# Allegro board meta_module_lay_rev1.brd (continued)
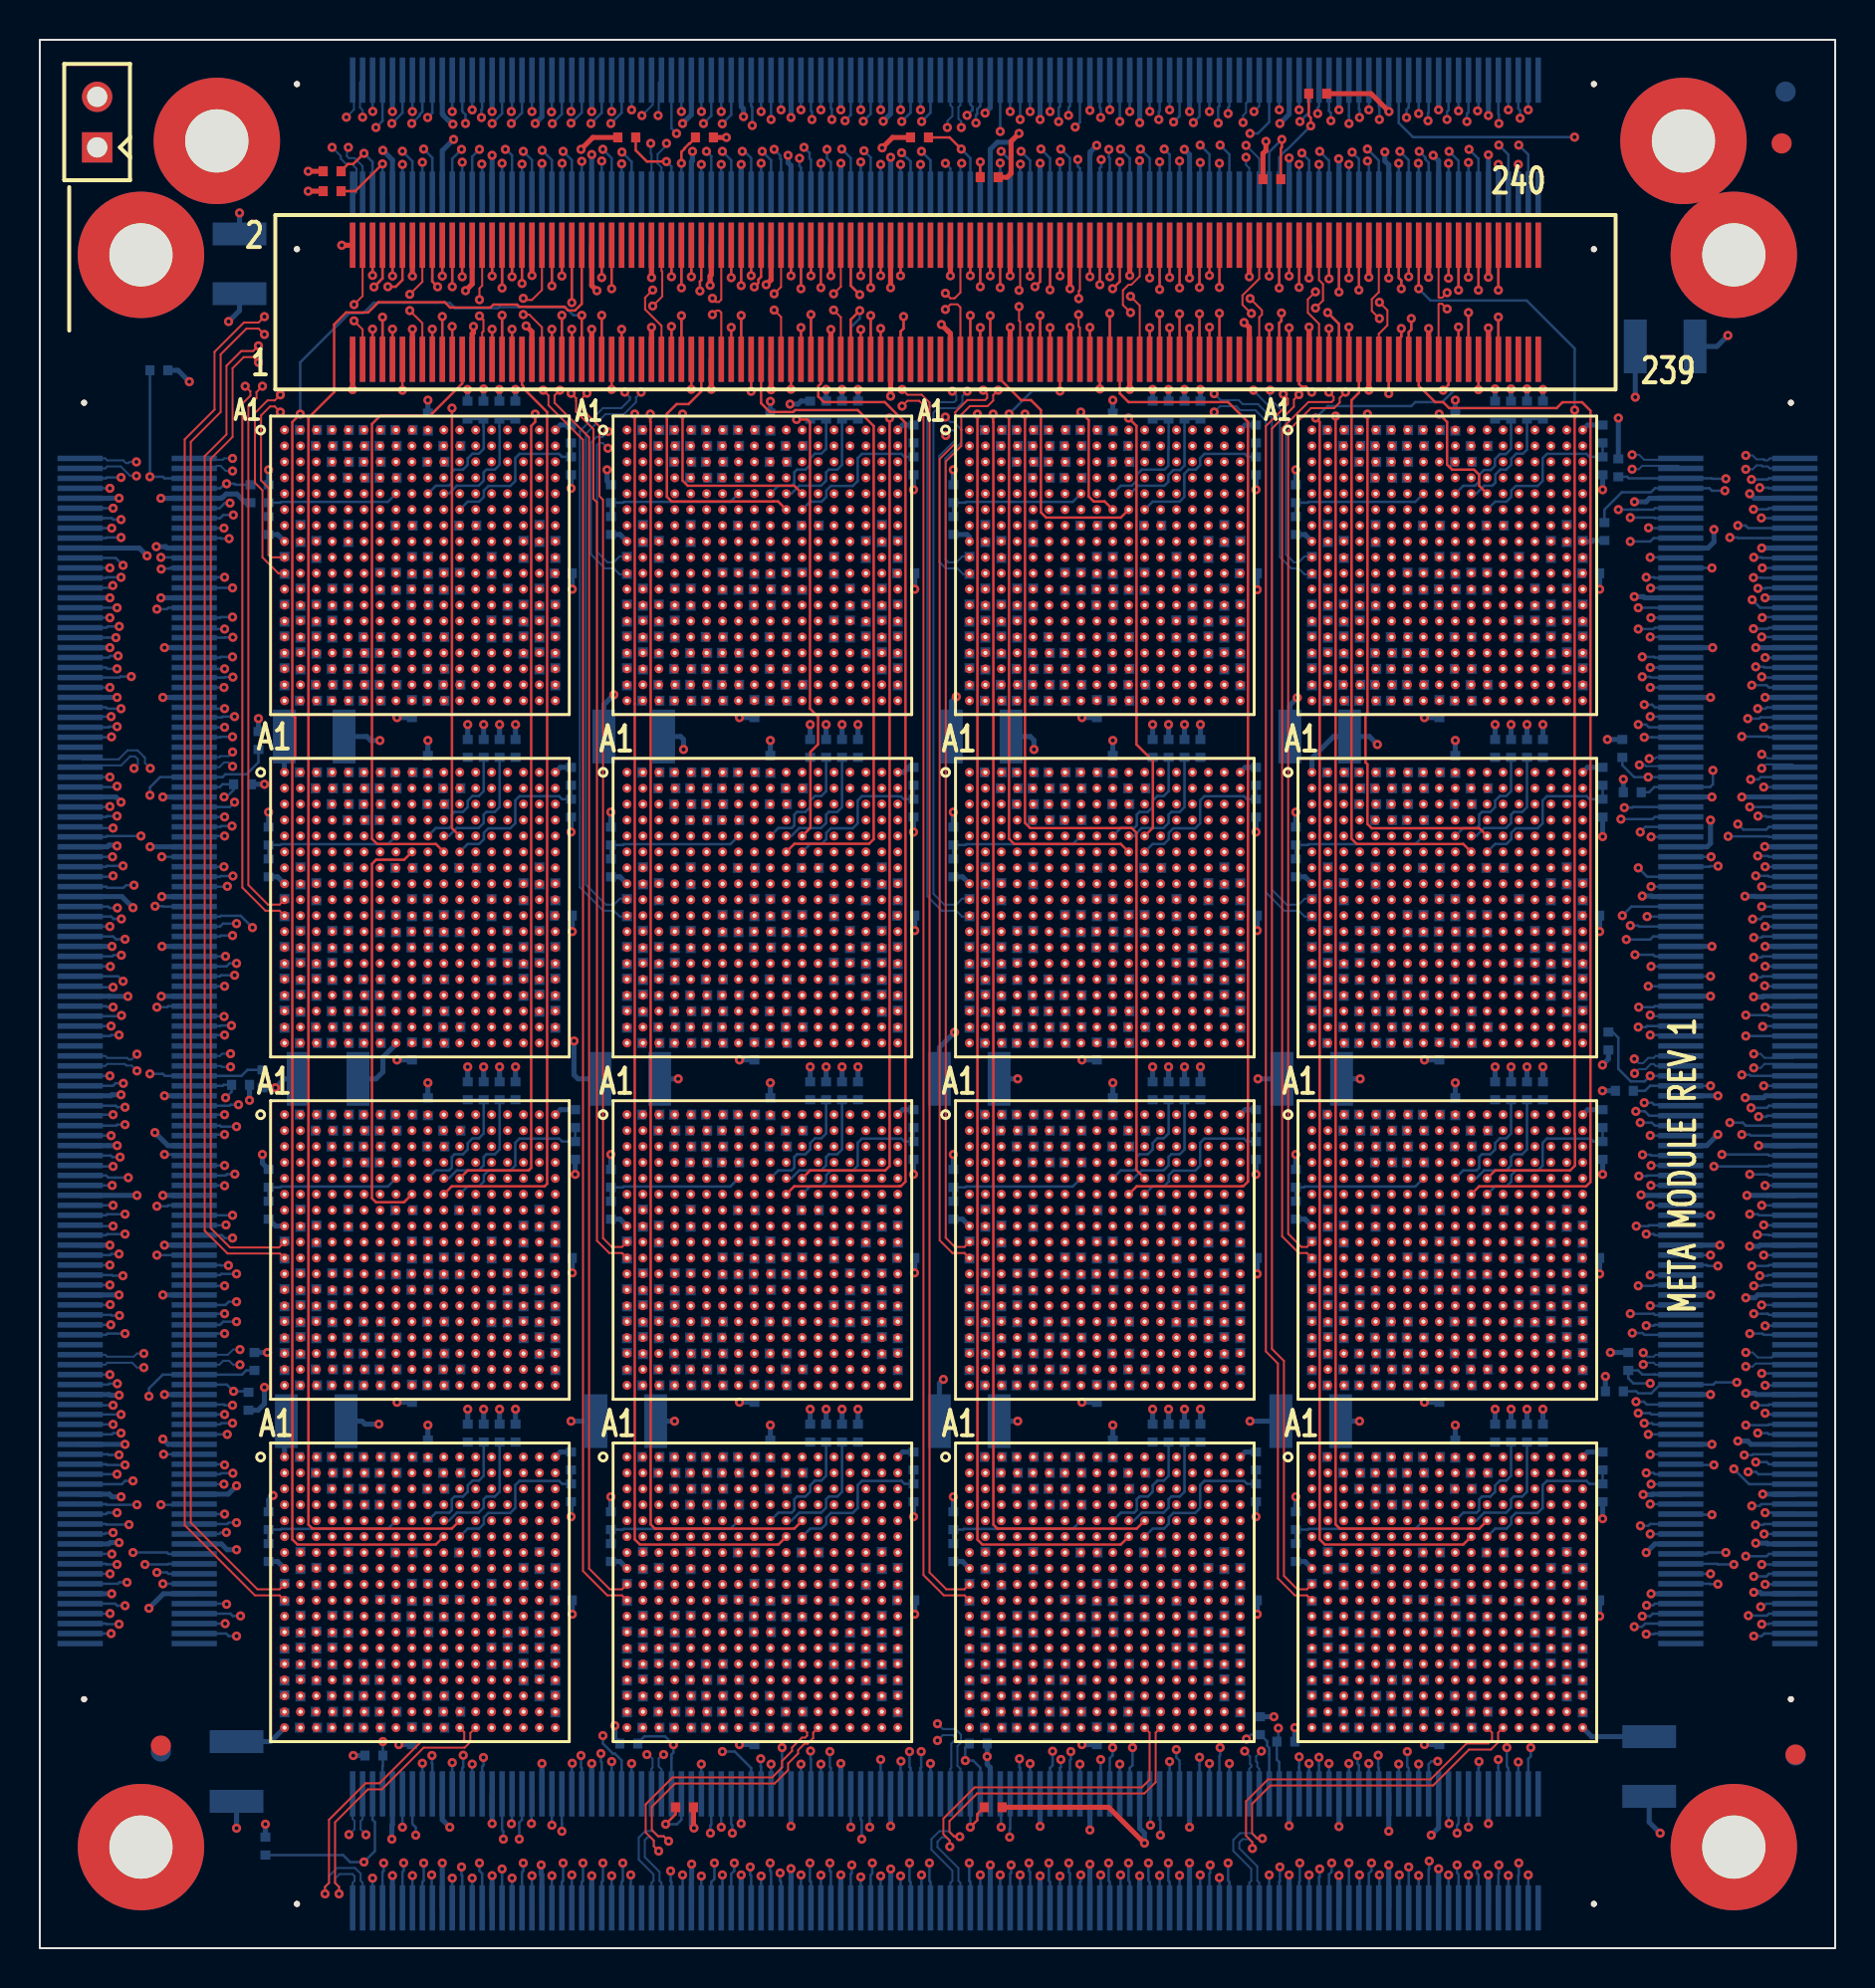
[diagram p0: board, top side]
## Routing (per net, layer and track width the routed paths; a pad name or vN(x,y) marks a point on that pad's centre or on a via; arc(x,y) is an arc through that point) (continued)
  BOTTOM w0.127: J1.33 67.25,89.82 v1(66.68,90.39)
NO_DATA_IN_P26: length 19.2
  SIGNAL_L5 w0.083: v1(68.31,90.28) 68.62,89.97 68.62,88.02 67.28,86.68 67.28,83.58 66.88,83.18 66.88,78.67 67.12,78.43 67.12,78.13 67.11,78.11 67.11,76.91 66.68,76.48 66.68,75.09 U5.C5
  BOTTOM w0.127: J1.27 68.75,89.84 v1(68.31,90.28)
NO_DATA_IN_P27: length 20.2
  SIGNAL_L9 w0.083: U5.D6 68.28,74.27 68.28,74.81 68.55,75.08 68.83,75.08 69.07,75.32 69.07,77.47 70.18,78.58 70.18,88.98 69.68,89.48 69.68,89.85 69.61,89.93 69.61,89.95 v1(69.28,90.28)
  BOTTOM w0.127: v1(69.28,90.28) 69.59,89.97 69.59,89.89 69.75,89.72 J1.23
NO_DATA_IN_P28: length 20.1
  SIGNAL_L9 w0.083: U5.A5 67.09,78.1 67.28,78.29 67.28,80.94 67.9,81.55 67.9,82.86 67.38,83.38 67.38,87.88 68.68,89.18 68.68,90.12 68.68,90.13 68.68,90.47 69.05,90.83 69.2,90.83 70.23,90.83 v1(70.78,90.28)
  BOTTOM w0.127: v1(70.78,90.28) 71.25,89.81 J1.17
NO_DATA_IN_P29: length 19.3
  SIGNAL_L5 w0.083: v1(71.78,90.38) 72.18,89.98 72.18,86.08 70.28,84.18 70.28,83.45 70.12,83.3 70.12,80.52 69.38,79.78 69.38,77.98 68.28,76.88 68.28,75.87 U5.B6
  BOTTOM w0.127: J1.13 72.25,89.91 v1(71.78,90.38)
NO_DATA_IN_P30: length 22.3
  SIGNAL_L5 w0.083: U5.C7 69.09,75.08 71.28,75.08 71.52,75.32 71.52,80.79 73.88,83.15 73.88,89.99 v1(73.28,90.59)
  BOTTOM w0.127: J1.7 73.75,90.12 v1(73.28,90.59)
NO_DATA_IN_P31: length 22.6
  SIGNAL_L10 w0.083: v1(74.28,90.59) 74.68,90.19 74.68,89.18 72.28,86.78 72.28,83.81 72.62,83.46 72.62,82.12 71.52,81.02 71.52,75.42 71.46,75.36 71.46,75.33 71.24,75.11 71.21,75.11 71.21,75.11 70.2,75.11 69.88,74.79 69.88,74.27 U5.D8
  BOTTOM w0.127: v1(74.28,90.59) 74.75,90.12 74.75,88.62 74.7,88.56 74.7,88.19 J1.3
NO_DATA_OUT_N0: length 21.1
  SIGNAL_L6 w0.083: U3.D11 19.92,74.25 19.92,76.64 19.12,77.44 19.12,78.32 19.28,78.48 19.28,84.88 20.08,85.68 20.08,91.65 v1(20.71,92.28)
  BOTTOM w0.127: v1(20.71,92.28) J1.220
NO_DATA_OUT_N1: length 30.6
  SIGNAL_L5 w0.083: U3.C12 20.69,75.08 20.08,75.08 19.88,75.28 19.88,77.38 21.38,78.88 22.48,78.88 24.88,81.28 24.88,81.47 24.88,81.88 28.81,85.81 28.81,88.98 28.83,88.99 28.83,90.36 28.43,90.75 22.88,90.75 21.72,91.92 v1(21.72,92.37)
  BOTTOM w0.127: v1(21.72,92.37) 21.72,93.86
NO_DATA_OUT_N2: length 29.6
  SIGNAL_L5 w0.083: U3.B13 21.49,75.89 20.97,75.89 20.68,76.17 20.68,76.68 21.97,77.97 22.44,77.97 22.66,78.19 22.66,78.66 25.06,81.06 25.06,81.55 29,85.48 29,88.91 29.13,89.04 29.68,89.59 29.68,90.38 29.12,90.94 23.46,90.94 v1(22.72,91.68)
  BOTTOM w0.127: v1(22.72,91.68) 23.22,92.18 J1.210
NO_DATA_OUT_N3: length 34.4
  SIGNAL_L5 w0.083: U3.A14 23.09,75.88 23.61,75.88 23.92,76.2 23.92,76.72 24.78,77.58 25.11,77.58 25.65,78.13 25.65,78.35 26.38,79.08 28.68,79.08 30.08,80.48 30.08,87.48 31.08,88.48 31.08,90.85 31.42,91.2 31.42,92.42 30.87,92.98 23.78,92.98 23.28,92.48 23.28,92.08 v1(23.68,91.68)
  BOTTOM w0.127: v1(23.68,91.68) 24.22,92.22 J1.206
NO_DATA_OUT_N4: length 22.1
  SIGNAL_L12 w0.083: v1(25.7,92.26) 25.28,91.84 25.28,91.28 24.78,90.78 24.78,86.88 22.28,84.38 22.28,83.48 22.48,83.28 22.48,81.78 22.28,81.58 22.28,80.78 21.89,80.39 21.89,77.97 22.28,77.58 22.28,74.27 U3.D13
  BOTTOM w0.127: J1.200 25.72,92.28 v1(25.7,92.26)
NO_DATA_OUT_N5: length 23
  SIGNAL_L6 w0.083: v1(26.68,92.28) 26.18,91.78 26.18,91.59 25.57,90.98 24.36,90.98 23.78,90.4 23.78,86.18 22.34,84.74 22.34,83.32 22.58,83.08 22.58,81.88 22.28,81.58 22.28,80.88 21.92,80.52 21.92,77.32 21.52,76.92 21.52,75.33 21.79,75.06 22.31,75.06 U3.C14
  BOTTOM w0.127: v1(26.68,92.28) 26.72,92.32 J1.196
NO_DATA_OUT_N6: length 20.9
  SIGNAL_L6 w0.083: v1(27.68,91.68) 27.08,91.08 26.55,91.08 25.78,90.31 25.78,84.98 25.28,84.48 25.28,81.28 23.49,79.49 23.49,77.19 23.12,76.82 23.12,75.85 U3.B15
  BOTTOM w0.127: v1(27.68,91.68) 28.22,92.22 J1.190
NO_DATA_OUT_N7: length 19.8
  SIGNAL_L6 w0.083: U3.A16 24.29,77.82 27.09,80.62 27.09,81.49 26.85,81.74 26.85,82.28 27.09,82.53 27.09,87.69 28.68,89.28 v1(28.68,91.68)
  BOTTOM w0.127: J1.186 29.22,92.22 v1(28.68,91.68)
NO_DATA_OUT_N8: length 20.9
  SIGNAL_L6 w0.083: v1(35.78,91.58) 35.78,91.04 35.67,90.93 35.67,85.3 37.25,83.72 37.25,79.35 37.1,79.2 37.1,74.27 U1.D11
  BOTTOM w0.127: v1(35.78,91.58) 35.78,92.51 35.73,92.56 J1.160
NO_DATA_OUT_N9: length 29.3
  SIGNAL_L5 w0.083: U1.C12 37.92,75.05 37.31,75.05 37.08,75.28 37.08,78.13 37.1,78.15 37.1,78.4 39.24,80.54 39.47,80.54 40.46,81.54 40.46,84.66 43.86,88.06 43.86,88.36 43.86,90.5 43.51,90.85 37.75,90.85 37.04,91.56 37.04,91.56 v1(36.73,91.88)
  BOTTOM w0.127: v1(36.73,91.88) J1.156
NO_DATA_OUT_N10: length 27.5
  SIGNAL_L5 w0.083: U1.B13 38.68,75.89 38.68,76.68 39.86,77.86 39.86,78.46 41.78,80.38 42.48,80.38 43.78,81.68 43.78,86.88 44.88,87.98 44.88,90.58 44.24,91.22 38.8,91.22 38.23,91.78 v1(38.23,92.37)
  BOTTOM w0.127: v1(38.23,92.37) J1.150
NO_DATA_OUT_N11: length 29.2
  SIGNAL_L5 w0.083: U1.A14 40.28,75.89 40.82,75.89 41.09,76.16 41.09,76.89 44.86,80.66 44.86,86.16 46.78,88.08 46.78,90.48 46.28,90.98 45.48,90.98 44.98,91.48 44.98,92.48 44.38,93.08 39.94,93.08 v1(39.23,92.37)
  BOTTOM w0.127: v1(39.23,92.37) J1.146
NO_DATA_OUT_N12: length 23.5
  SIGNAL_L12 w0.083: v1(40.44,91.82) 40.78,91.48 40.78,87.18 43.88,84.08 43.88,81.68 40.72,78.52 40.72,77.82 39.52,76.62 39.52,74.31 U1.D13
  BOTTOM w0.127: J1.140 40.73,92.1 v1(40.44,91.82)
NO_DATA_OUT_N13: length 21.3
  SIGNAL_L6 w0.083: v1(41.36,91.79) 41.36,91.26 40.72,90.62 40.65,90.55 40.65,86.25 40.28,85.88 40.28,80.98 38.68,79.38 38.68,75.28 38.9,75.06 39.51,75.06 U1.C14
  BOTTOM w0.127: v1(41.36,91.79) 41.73,92.16 J1.136
NO_DATA_OUT_N14: length 20.6
  SIGNAL_L6 w0.083: v1(43.23,92.37) 42.92,92.05 42.92,91.44 43.65,90.71 43.65,88.41 43.88,88.18 43.88,81.78 40.72,78.62 40.72,77.32 40.28,76.88 40.28,75.89 U1.B15
  BOTTOM w0.127: 43.23,93.86 v1(43.23,92.37)
NO_DATA_OUT_N15: length 19.3
  SIGNAL_L6 w0.083: U1.A16 41.49,77.69 44.48,80.68 44.48,88.68 44.65,88.85 44.65,90.89 43.92,91.63 43.92,92.05 v1(44.23,92.37)
  BOTTOM w0.127: J1.126 v1(44.23,92.37)
NO_DATA_OUT_N16: length 21.8
  SIGNAL_L6 w0.083: U7.D11 54.26,74.31 54.26,76.43 53.38,77.31 53.38,77.88 53.61,78.11 53.61,78.95 51.11,81.45 51.11,83.48 50.74,83.85 v1(50.74,92.28)
  BOTTOM w0.127: v1(50.74,92.28) J1.100
NO_DATA_OUT_N17: length 28.9
  SIGNAL_L5 w0.083: U7.C12 55.08,75.09 54.56,75.09 54.31,75.34 54.31,77.11 55.18,77.98 55.18,84.78 58.84,88.44 58.84,90.56 58.43,90.97 58.12,90.97 57.94,90.78 53.41,90.78 53.11,91.08 51.75,91.08 51.58,91.25 51.58,91.63 51.67,91.72 v1(51.67,92.09)
  BOTTOM w0.127: J1.96 51.74,92.55 51.67,92.48 v1(51.67,92.09)
NO_DATA_OUT_N18: length 26.5
  SIGNAL_L5 w0.083: U7.B13 55.88,75.89 55.88,77.28 56.28,77.68 56.28,78.78 58.28,80.78 58.28,81.51 58.67,81.89 58.67,82.27 59.68,83.28 59.68,86.18 59.85,86.35 59.85,90.67 59.85,90.91 59.58,91.18 59.18,91.18 59.02,91.33 57.97,91.33 57.81,91.17 53.69,91.17 53.28,91.58 v1(53.28,91.98)
  BOTTOM w0.127: J1.90 53.24,92.48 53.28,92.44 v1(53.28,91.98)
NO_DATA_OUT_N19: length 28.2
  SIGNAL_L5 w0.083: U7.A14 57.09,77.09 57.92,77.92 57.92,78.62 59.9,80.6 59.9,82.03 59.9,82.18 60.16,82.45 60.16,85.46 61.21,86.51 61.21,90.98 61.63,91.4 61.63,92.32 61.53,92.41 61.53,92.43 61.32,92.65 61.3,92.65 61.09,92.86 55.66,92.86 55.38,92.58 55.38,92.39 54.77,91.78 v1(54.24,91.78)
  BOTTOM w0.127: v1(54.24,91.78) J1.86
NO_DATA_OUT_N20: length 21.3
  SIGNAL_L12 w0.083: U7.D13 56.66,74.25 56.66,77.4 56.26,77.8 56.26,79.6 55.18,80.68 55.18,84.68 54.78,85.08 54.78,90.58 55.75,91.55 v1(55.75,92.29)
  BOTTOM w0.127: v1(55.75,92.29) 55.75,92.35 55.74,92.36 J1.80
NO_DATA_OUT_N21: length 21
  SIGNAL_L6 w0.083: U7.C14 56.71,75.06 56.1,75.06 55.88,75.28 55.88,76.88 55.18,77.58 55.18,85.18 55.78,85.78 55.78,90.58 56.57,91.37 56.57,91.91 56.74,92.08 v1(56.74,92.37)
  BOTTOM w0.127: v1(56.74,92.37) J1.76
NO_DATA_OUT_N22: length 19.7
  SIGNAL_L6 w0.083: v1(57.93,91.72) 58.65,91.01 58.65,89.88 58.65,89.87 58.65,89.57 58.65,89.56 58.65,85.35 58.28,84.98 58.28,83.93 58.61,83.6 58.61,81.96 58.28,81.63 58.28,79.28 57.92,78.92 57.92,77.12 57.52,76.72 57.52,75.85 U7.B15
  BOTTOM w0.127: J1.70 58.24,92.03 v1(57.93,91.72)
NO_DATA_OUT_N23: length 18.4
  SIGNAL_L6 w0.083: U7.A16 59.91,77.5 59.91,90.97 v1(59.18,91.7)
  BOTTOM w0.127: v1(59.18,91.7) 59.18,92.5 59.24,92.56 J1.66
NO_DATA_OUT_N24: length 29.9
  SIGNAL_L10 w0.083: v1(65.75,91.68) 66.4,91.03 74.43,91.03 74.98,90.48 74.98,88.68 73.68,87.38 73.68,81.08 73.46,80.86 73.46,77.46 73.06,77.06 73.06,75.33 72.84,75.11 72.61,75.11 72.32,74.83 72.32,74.31 U5.D11
  BOTTOM w0.127: v1(65.75,91.68) 65.75,92.07 65.75,92.07 J1.40
NO_DATA_OUT_N25: length 24.4
  SIGNAL_L9 w0.083: v1(66.75,92.37) 66.75,91.81 67.48,91.08 70.68,91.08 71.28,90.48 71.28,89.48 73.78,86.98 73.78,81.48 73.48,81.18 73.48,77.18 73.12,76.82 73.12,75.11 U5.C12
  BOTTOM w0.127: J1.36 v1(66.75,92.37)
NO_DATA_OUT_N26: length 29.8
  SIGNAL_L5 w0.083: v1(77.08,91) 77.08,78.88 75.46,77.26 75.46,75.33 75.21,75.09 73.89,75.09 U5.B13
  BOTTOM w0.127: v1(77.08,91) 68.97,91 68.25,91.71 J1.30
NO_DATA_OUT_N27: length 23.2
  SIGNAL_L5 w0.083: v1(69.25,92.18) 69.25,91.51 69.5,91.26 74.4,91.26 75.06,90.6 75.06,81.36 74.29,80.59 U5.A14
  BOTTOM w0.127: v1(69.25,92.18) 69.25,93.86
NO_DATA_OUT_N28: length 22
  SIGNAL_L6 w0.083: U5.D13 73.09,74.28 72.57,74.28 72.32,74.53 72.32,74.76 72.04,75.05 71.81,75.05 71.46,75.4 71.46,77.62 71.46,77.62 71.46,77.93 71.46,77.93 71.46,78.1 70.18,79.38 70.18,88.58 70.38,88.78 70.38,91.59 v1(70.67,91.88)
  BOTTOM w0.127: v1(70.67,91.88) 70.67,92.27 70.75,92.35 J1.20
NO_DATA_OUT_N29: length 21
  SIGNAL_L6 w0.083: U5.C14 73.88,75.09 73.88,75.61 73.86,75.63 73.58,75.91 73.34,75.91 73.12,76.13 73.12,77.12 73.52,77.52 73.52,80.32 73.86,80.66 73.86,86.76 73.78,86.84 73.78,87.52 72.2,89.1 72.2,91.26 v1(71.67,91.78)
  BOTTOM w0.127: v1(71.67,91.78) 71.67,92.17 71.75,92.25 J1.16
NO_DATA_OUT_N30: length 19.4
  SIGNAL_L6 w0.083: U5.B15 75.09,75.57 75.08,75.58 75.08,75.77 74.72,76.13 74.72,77.02 75.08,77.38 75.08,87.98 73.78,89.28 73.78,91.18 v1(73.28,91.68)
  BOTTOM w0.127: v1(73.28,91.68) 73.28,92.13 73.25,92.15 J1.10
NO_DATA_OUT_N31: length 18.5
  SIGNAL_L6 w0.083: U5.A16 75.89,76.89 76.15,77.15 76.15,90.14 v1(74.35,91.94)
  BOTTOM w0.127: v1(74.35,91.94) 74.35,92.34 74.26,92.43 J1.6
NO_DATA_OUT_P0: length 21.7
  SIGNAL_L6 w0.083: U3.D12 20.68,74.29 20.68,76.58 20.18,77.08 20.18,81.48 19.58,82.08 19.58,84.28 21.68,86.38 21.68,90.98 21.38,91.28 v1(21.38,91.68)
  BOTTOM w0.127: v1(21.38,91.68) 21.38,92.12 21.22,92.29 J1.218
NO_DATA_OUT_P1: length 32.8
  SIGNAL_L5 w0.083: v1(22.18,91.98) 22.18,92.35 22.48,92.65 22.87,92.65 23.09,92.43 23.09,91.67 23.64,91.12 29.34,91.12 29.78,90.68 29.86,90.6 29.86,89.26 29.18,88.58 29.18,82.28 27.69,80.79 25.75,80.79 24.06,79.1 24,79.1 23.45,78.55 23.45,78.16 22.67,77.38 22.28,77.38 21.48,76.58 21.48,76.17 21.77,75.88 22.03,75.88 22.28,75.63 22.28,75.07 U3.C13
  BOTTOM w0.127: J1.214 22.22,92.41 22.18,92.37 v1(22.18,91.98)
NO_DATA_OUT_P2: length 28.4
  SIGNAL_L5 w0.083: U3.B14 22.28,75.89 22.28,76.48 22.78,76.98 23.08,76.98 24.26,78.16 24.26,78.46 25.98,80.18 27.48,80.18 29.48,82.18 29.48,88.18 30.05,88.75 30.05,90.83 29.94,90.94 29.83,91.05 29.58,91.3 29.46,91.3 29.45,91.31 29.41,91.31 29.26,91.31 29.25,91.3 24.66,91.3 v1(23.68,92.28)
  BOTTOM w0.127: J1.208 23.72,92.32 v1(23.68,92.28)
NO_DATA_OUT_P3: length 28.4
  SIGNAL_L5 w0.083: U3.A15 23.49,76.89 24.91,78.31 24.91,78.43 25.95,79.48 28.48,79.48 29.78,80.78 29.78,87.88 30.28,88.38 30.28,91.08 30.61,91.41 30.61,92.42 30.25,92.78 25.22,92.78 v1(24.72,92.28)
  BOTTOM w0.127: v1(24.72,92.28) J1.204
NO_DATA_OUT_P4: length 21.4
  SIGNAL_L12 w0.083: v1(25.74,91.68) 25.74,84.36 24.98,83.61 24.98,78.78 23.08,76.88 23.08,74.27 U3.D14
  BOTTOM w0.127: v1(25.74,91.68) 26.22,92.15 J1.198
NO_DATA_OUT_P5: length 22.6
  SIGNAL_L6 w0.083: U3.C15 23.11,75.06 22.57,75.06 22.32,75.3 22.32,76.82 22.71,77.21 22.71,80.11 23.18,80.58 23.18,81.48 23.59,81.89 23.59,83.58 23.35,83.83 23.35,84.85 24.78,86.28 24.78,90.41 25.08,90.7 25.69,90.7 v1(26.68,91.69)
  BOTTOM w0.127: J1.194 27.22,92.23 v1(26.68,91.69)
NO_DATA_OUT_P6: length 20.9
  SIGNAL_L6 w0.083: v1(28.72,92.28) 28.18,91.74 28.18,91.58 27.35,90.75 27.03,90.75 26.8,90.52 26.8,83.8 26.35,83.35 26.35,82.44 26.59,82.2 26.59,81.74 26.18,81.33 26.18,80.08 23.92,77.82 23.92,75.85 U3.B16
  BOTTOM w0.127: v1(28.72,92.28) J1.188
NO_DATA_OUT_P7: length 19.5
  SIGNAL_L6 w0.083: v1(29.72,92.37) 29.72,89.12 27.61,87.01 27.61,81.76 27.35,81.49 27.35,80.15 25.75,78.55 25.75,76.94 U3.A17
  BOTTOM w0.127: v1(29.72,92.37) J1.184
NO_DATA_OUT_P8: length 21.2
  SIGNAL_L6 w0.083: U1.D12 37.88,74.29 37.88,76.41 37.31,76.98 37.31,79.11 37.43,79.23 37.43,83.79 35.85,85.37 35.85,90.55 36.23,90.93 v1(36.23,92.28)
  BOTTOM w0.127: v1(36.23,92.28) J1.158
NO_DATA_OUT_P9: length 29.7
  SIGNAL_L5 w0.083: v1(37.23,92.37) 37.23,91.83 38.03,91.03 44.16,91.03 44.68,90.52 44.68,88.28 40.78,84.38 40.78,81.38 38.48,79.08 38.48,77.68 38.01,77.21 37.81,77.21 37.55,76.95 37.55,76.74 37.88,76.41 37.88,76.17 38.17,75.88 38.41,75.88 38.68,75.61 38.68,75.09 U1.C13
  BOTTOM w0.127: v1(37.23,92.37) J1.154
NO_DATA_OUT_P10: length 26.7
  SIGNAL_L5 w0.083: U1.B14 39.48,75.89 39.48,76.58 39.98,77.08 40.38,77.08 44.18,80.88 44.18,86.68 45.08,87.58 45.08,90.64 44.32,91.4 39.26,91.4 v1(38.78,91.88)
  BOTTOM w0.127: J1.148 38.73,92.33 38.78,92.27 v1(38.78,91.88)
NO_DATA_OUT_P11: length 26.9
  SIGNAL_L5 w0.083: v1(39.78,91.88) 39.78,92.58 39.98,92.78 44.38,92.78 44.68,92.48 44.68,91.38 45.28,90.78 45.68,90.78 45.88,90.58 45.88,87.78 44.58,86.48 44.58,80.88 40.69,76.99 U1.A15
  BOTTOM w0.127: v1(39.78,91.88) 39.78,92.4 39.73,92.45 J1.144
NO_DATA_OUT_P12: length 23.2
  SIGNAL_L12 w0.083: v1(41.23,92.37) 40.97,92.1 40.97,91.59 41.78,90.78 41.78,86.78 44.18,84.38 44.18,80.58 40.28,76.68 40.28,74.27 U1.D14
  BOTTOM w0.127: v1(41.23,92.37) J1.138
NO_DATA_OUT_P13: length 20.9
  SIGNAL_L6 w0.083: U1.C15 40.26,75.11 40.26,75.63 40.04,75.85 39.81,75.85 39.52,76.13 39.52,77.12 39.92,77.52 39.92,78.82 40.68,79.58 40.68,86.02 40.83,86.17 40.83,90.47 40.91,90.55 41.97,91.61 41.97,92.1 v1(42.23,92.37)
  BOTTOM w0.127: v1(42.23,92.37) 42.23,93.86
NO_DATA_OUT_P14: length 20.4
  SIGNAL_L6 w0.083: U1.B16 41.08,75.89 41.08,77.68 44.18,80.78 44.18,88.68 43.86,89 43.86,91.21 v1(43.29,91.78)
  BOTTOM w0.127: J1.128 43.73,92.22 v1(43.29,91.78)
NO_DATA_OUT_P15: length 19.1
  SIGNAL_L6 w0.083: v1(44.29,91.78) 44.86,91.21 44.86,80.66 42.29,78.09 U1.A17
  BOTTOM w0.127: v1(44.29,91.78) 44.73,92.22 J1.124
NO_DATA_OUT_P16: length 21.8
  SIGNAL_L6 w0.083: U7.D12 55.06,74.31 55.06,76.43 55.05,76.44 55.05,77.03 54.37,77.72 54.37,80.59 53.08,81.88 53.08,82.88 51.68,84.28 51.68,91.26 v1(51.17,91.77)
  BOTTOM w0.127: v1(51.17,91.77) 51.17,92.47 51.24,92.54 J1.98
NO_DATA_OUT_P17: length 29.1
  SIGNAL_L5 w0.083: U7.C13 55.88,75.09 55.88,75.61 55.57,75.91 55.34,75.91 55.12,76.13 55.12,77.22 55.37,77.47 55.37,84.07 59.66,88.37 59.66,90.75 59.43,90.98 59.12,90.98 58.95,91.15 58.05,91.15 57.88,90.98 53.48,90.98 52.96,91.5 v1(52,91.5)
  BOTTOM w0.127: J1.94 52.24,91.74 v1(52,91.5)
NO_DATA_OUT_P18: length 28.2
  SIGNAL_L5 w0.083: U7.B14 56.68,75.89 56.68,77.68 57.08,78.08 57.08,78.88 59.71,81.51 59.71,81.95 59.71,82.26 59.98,82.52 59.98,86.22 60.03,86.27 60.03,90.59 60.03,92 60.05,92.03 60.05,92.33 60.03,92.36 60.03,92.38 59.73,92.68 57.62,92.68 57.37,92.43 57.37,91.57 57.15,91.35 54.11,91.35 53.74,91.72 v1(53.74,92.37)
  BOTTOM w0.127: v1(53.74,92.37) J1.88
NO_DATA_OUT_P19: length 27.4
  SIGNAL_L5 w0.083: U7.A15 57.89,76.69 58.78,77.58 59.08,77.58 60.08,78.58 60.08,82.11 60.24,82.26 60.35,82.37 60.35,84.45 61.95,86.05 61.95,91.21 61.88,91.28 61.88,92.52 61.32,93.08 55.54,93.08 v1(54.74,92.28)
  BOTTOM w0.127: v1(54.74,92.28) J1.84
NO_DATA_OUT_P20: length 21.4
  SIGNAL_L12 w0.083: v1(56.2,91.88) 56.2,91.3 55.88,90.98 55.88,89.92 55.87,89.91 55.87,89.6 55.88,89.59 55.88,84.78 55.37,84.27 55.37,81.09 57.08,79.38 57.08,77.78 57.48,77.38 57.48,74.27 U7.D14
  BOTTOM w0.127: v1(56.2,91.88) 56.2,92.27 56.24,92.31 J1.78
NO_DATA_OUT_P21: length 21.3
  SIGNAL_L6 w0.083: U7.C15 57.51,75.06 56.97,75.06 56.67,75.36 56.67,76.79 55.37,78.09 55.37,84.17 56.78,85.58 56.78,89.86 56.94,90.02 v1(56.94,91.75)
  BOTTOM w0.127: J1.74 57.24,92.05 v1(56.94,91.75)
NO_DATA_OUT_P22: length 19.8
  SIGNAL_L6 w0.083: v1(58.74,92.28) 58.74,91.42 58.91,91.25 58.91,90.35 59.08,90.18 59.28,90.18 59.68,89.78 59.68,78.18 59.18,77.68 58.88,77.68 58.32,77.12 58.32,75.85 U7.B16
  BOTTOM w0.127: v1(58.74,92.28) J1.68
NO_DATA_OUT_P23: length 18
  SIGNAL_L6 w0.083: U7.A17 60.09,76.88 60.09,91.27 59.68,91.68 v1(59.68,92.18)
  BOTTOM w0.127: v1(59.68,92.18) 59.68,92.48 59.74,92.54 J1.64
NO_DATA_OUT_P24: length 29.6
  SIGNAL_L10 w0.083: U5.D12 73.06,74.25 73.65,74.25 73.88,74.48 73.88,77.08 74.28,77.48 74.28,86.98 75.28,87.98 75.28,90.68 74.68,91.28 66.98,91.28 v1(66.28,91.98)
  BOTTOM w0.127: v1(66.28,91.98) 66.28,92.37 66.25,92.4 J1.38
NO_DATA_OUT_P25: length 25.5
  SIGNAL_L9 w0.083: v1(67.28,91.88) 67.28,92.33 67.63,92.68 69.38,92.68 70.18,91.88 70.18,91.72 70.52,91.38 71.38,91.38 72.18,90.58 72.18,89.38 74.26,87.3 74.26,76.86 73.92,76.52 73.92,75.11 U5.C13
  BOTTOM w0.127: J1.34 67.25,92.56 67.28,92.53 v1(67.28,91.88)
NO_DATA_OUT_P26: length 24.7
  SIGNAL_L5 w0.083: U5.B14 73.88,75.89 73.88,77.38 73.48,77.78 73.48,80.78 74.65,81.95 74.65,90.75 74.63,90.77 74.63,90.78 74.37,91.03 69.37,91.03 68.97,91.43 68.97,91.65 v1(68.64,91.98)
  BOTTOM w0.127: J1.28 68.75,92.48 68.64,92.37 v1(68.64,91.98)
NO_DATA_OUT_P27: length 24.3
  SIGNAL_L5 w0.083: v1(69.72,91.81) 69.72,92.52 69.98,92.78 72.98,92.78 73.38,92.38 73.38,92.18 74.03,91.53 74.58,91.53 75.63,90.48 75.63,81.13 75.09,80.59 U5.A15
  BOTTOM w0.127: J1.24 69.75,92.24 69.72,92.21 v1(69.72,91.81)
NO_DATA_OUT_P28: length 22.8
  SIGNAL_L6 w0.083: v1(71.25,92.31) 71.25,89.11 73.68,86.68 73.68,81.38 72.62,80.32 72.62,77.32 72.32,77.02 72.32,75.33 72.54,75.11 72.65,75.11 72.66,75.1 72.81,75.1 73.07,74.84 73.07,74.58 73.37,74.28 73.89,74.28 U5.D14
  BOTTOM w0.127: v1(71.25,92.31) J1.18
NO_DATA_OUT_P29: length 20.9
  SIGNAL_L6 w0.083: U5.C15 74.67,75.1 74.67,75.69 74.46,75.9 74.15,75.9 73.92,76.13 73.92,77.02 74.28,77.38 74.28,87.28 72.38,89.18 72.38,91.58 72.21,91.75 v1(72.21,92.31)
  BOTTOM w0.127: J1.14 72.25,92.36 v1(72.21,92.31)
NO_DATA_OUT_P30: length 19.5
  SIGNAL_L6 w0.083: U5.B16 75.52,75.85 75.52,77.02 75.86,77.36 75.86,89.77 73.75,91.88 v1(73.75,92.37)
  BOTTOM w0.127: v1(73.75,92.37) J1.8
NO_DATA_OUT_P31: length 18.4
  SIGNAL_L6 w0.083: U5.A17 76.69,83.77 76.68,83.78 76.68,90.44 v1(74.75,92.37)
  BOTTOM w0.127: v1(74.75,92.37) J1.4
NO_FRAME_IN_N0: length 18.9
  TOP w0.127: v1(16.28,90.18) 15.75,89.65 15.48,89.65 15.13,89.3 R1033.1
  SIGNAL_L6 w0.083: v1(16.28,90.18) 16.28,89.81 16.15,89.68 16.15,80.81 16.66,80.3 16.66,75.91 U3.B7
  BOTTOM w0.127: v1(16.28,90.18) 16.71,89.75 J1.235
NO_FRAME_IN_N1: length 19.7
  TOP w0.127: R1034.1 29.93,90.33 30.49,89.77 v1(31.47,89.77)
  SIGNAL_L6 w0.083: v1(31.47,89.77) 31.47,84.25 31.35,84.13 31.35,79.21 32.35,78.21 32.35,78.17 32.57,77.95 32.61,77.95 33.88,76.68 33.88,75.89 U1.B7
  BOTTOM w0.127: v1(31.47,89.77) 31.72,89.52 J1.175
NO_FRAME_IN_N2: length 21.7
  TOP w0.127: R1035.1 45.69,90.98 v1(46.28,90.39)
  SIGNAL_L6 w0.083: U7.B7 51.06,75.91 51.06,76.7 46.18,81.58 46.18,88.68 45.88,88.98 45.88,90 v1(46.28,90.39)
  BOTTOM w0.127: v1(46.28,90.39) 46.73,89.94 J1.115
NO_FRAME_IN_N3: length 24.4
  TOP w0.127: v1(62.38,90.88) 62.38,90.49 62.33,90.44 R1036.1
  SIGNAL_L10 w0.083: U5.B7 68.28,75.89 66.16,75.89 65.88,76.17 65.88,77.96 65.95,78.03 65.95,78.33 65.88,78.4 65.88,78.58 63.28,81.18 63.28,82.18 62.78,82.68 62.78,83.41 62.4,83.79 62.38,83.79 62.37,83.79 62.37,90.1 62.38,90.11 v1(62.38,90.88)
  BOTTOM w0.127: J1.55 61.75,90.25 v1(62.38,90.88)
NO_FRAME_IN_P0: length 19.3
  TOP w0.127: R1037.2 15.84,88.28 v1(17.21,89.65)
  SIGNAL_L6 w0.083: U3.B8 17.46,75.91 17.46,76.43 17.21,76.68 17.21,81.42 16.34,82.3 16.34,88.78 v1(17.21,89.65)
  BOTTOM w0.127: v1(17.21,89.65) J1.233
NO_FRAME_IN_P1: length 18.5
  TOP w0.127: v1(32.22,89.68) 32.22,90.25 32.39,90.42 32.39,90.44 32.62,90.67 32.64,90.67 32.93,90.96 R1038.2
  SIGNAL_L6 w0.083: U1.B8 34.68,75.89 34.68,76.78 33.18,78.28 33.18,82.28 32.78,82.68 32.78,83.4 32.22,83.95 v1(32.22,89.68)
  BOTTOM w0.127: v1(32.22,89.68) J1.173
NO_FRAME_IN_P2: length 19.1
  TOP w0.127: v1(47.23,89.75) 47.23,89.75 R1039.2
  SIGNAL_L6 w0.083: U7.B8 51.86,75.91 51.86,76.6 47.88,80.58 47.88,81.35 47.28,81.95 47.28,82.48 46.86,82.9 46.86,83.63 47.08,83.85 47.23,84.01 v1(47.23,89.75)
  BOTTOM w0.127: v1(47.23,89.75) J1.113
NO_FRAME_IN_P3: length 24.7
  TOP w0.127: v1(63.83,91.56) 63.83,91.97 63.73,92.07 R1040.2
  SIGNAL_L10 w0.083: v1(63.83,91.56) 64.78,90.61 64.78,87.48 67.28,84.98 67.28,83.68 67.98,82.98 68.64,82.98 69.18,82.44 69.18,82.11 69.25,82.03 69.25,81.73 69.18,81.65 69.18,76.49 69.12,76.43 69.12,76.13 69.18,76.07 69.18,75.79 U5.B8
  BOTTOM w0.127: J1.53 62.25,89.97 62.35,90.08 62.35,90.11 62.58,90.34 62.61,90.34 v1(63.83,91.56)
NO_FRAME_OUT_N0: length 21.5
  SIGNAL_L6 w0.083: U3.D9 18.26,74.31 18.26,77.06 17.84,77.48 17.84,80.24 18.18,80.58 18.18,88.58 17.84,88.92 17.84,90.13 17.84,90.13 17.84,90.32 17.38,90.78 16.88,90.78 16.51,91.15 16.51,91.63 16.72,91.85 v1(16.72,92.29)
  BOTTOM w0.127: v1(16.72,92.29) 16.71,92.3 J1.236
NO_FRAME_OUT_N1: length 22.4
  SIGNAL_L6 w0.083: U1.D9 35.47,74.3 35.47,76.69 34.18,77.98 34.18,78.62 34.17,78.63 34.17,83.99 33.85,84.31 33.85,90.51 33.18,91.18 v1(31.98,91.18)
  BOTTOM w0.127: v1(31.98,91.18) 31.72,91.43 J1.176
NO_FRAME_OUT_N2: length 22.8
  SIGNAL_L6 w0.083: U7.D9 52.66,74.31 52.66,77.99 49.11,81.54 49.11,81.75 48.68,82.18 48.68,83.55 48.11,84.13 48.11,88.75 47.65,89.21 47.65,90.41 46.65,91.41 46.65,91.63 46.57,91.72 v1(46.57,92.09)
  BOTTOM w0.127: v1(46.57,92.09) 46.85,92.37 46.85,92.52 46.73,92.63 J1.116
NO_FRAME_OUT_N3: length 26.6
  SIGNAL_L6 w0.083: U5.D9 69.89,73.48 68.48,73.48 68.26,73.7 68.26,74.03 67.97,74.31 67.74,74.31 67.46,74.59 67.46,74.83 67.17,75.11 66.94,75.11 66.68,75.37 66.68,75.68 66.48,75.88 66.17,75.88 65.88,76.17 65.88,76.88 65.11,77.65 65.11,78.35 63.18,80.28 63.18,81.86 61.28,83.76 61.28,90.55 61.21,90.63 61.21,90.75 v1(60.78,91.18)
  BOTTOM w0.127: J1.56 61.75,91.75 61.17,91.18 v1(60.78,91.18)
NO_FRAME_OUT_P0: length 21.9
  SIGNAL_L6 w0.083: v1(16.88,91.48) 17.28,91.08 17.98,91.08 18.68,90.38 18.68,84.98 19.08,84.58 19.08,84.17 19.08,84.17 19.08,80.58 18.78,80.28 18.78,77.28 19.08,76.98 19.08,74.29 U3.D10
  BOTTOM w0.127: J1.234 17.21,91.81 v1(16.88,91.48)
NO_FRAME_OUT_P1: length 24
  SIGNAL_L6 w0.083: v1(32.22,92.28) 32.59,92.65 34.38,92.65 34.85,92.18 34.85,84.95 34.35,84.45 34.35,78.71 36.28,76.78 36.28,74.29 U1.D10
  BOTTOM w0.127: v1(32.22,92.28) J1.174
NO_FRAME_OUT_P2: length 23.2
  SIGNAL_L6 w0.083: v1(47.02,91.71) 47.94,90.78 48.42,90.78 48.68,90.52 48.68,88.64 48.86,88.46 48.86,85.89 49.18,85.57 49.18,83.88 49.58,83.48 49.58,82.12 50.37,81.33 50.37,81.09 52.87,78.59 52.87,77.29 53.48,76.68 53.48,74.29 U7.D10
  BOTTOM w0.127: J1.114 47.23,92.56 47.08,92.4 47.08,92.17 47.02,92.1 v1(47.02,91.71)
NO_FRAME_OUT_P3: length 25.4
  SIGNAL_L6 w0.083: v1(62.25,92.37) 61.91,92.02 61.91,91.53 61.95,91.48 61.95,86.51 64.28,84.18 64.28,83.65 65.18,82.75 65.18,79.78 65.98,78.98 65.98,77.25 66.68,76.55 66.68,76.17 66.94,75.91 67.17,75.91 67.46,75.63 67.46,75.4 67.74,75.11 67.97,75.11 68.26,74.83 68.26,74.6 68.57,74.28 70.69,74.28 U5.D10
  BOTTOM w0.127: J1.54 62.25,92.37 v1(62.25,92.37)
NO_LCLK_IN_N0: length 19.2
  SIGNAL_L12 w0.081: U3.A6 16.29,76.62 16.52,76.85 16.52,77.07 16.31,77.28 15.58,77.28 14.38,78.48 14.38,87.58 15.02,88.22 15.02,90.14 v1(14.68,90.48)
  BOTTOM w0.102: J1.239 15.81,88.13 15.91,88.23 15.91,89.41 15.68,89.63 15.39,89.63 15.11,89.91 15.11,90.05 v1(14.68,90.48)
NO_LCLK_IN_N1: length 19.6
  SIGNAL_L12 w0.081: v1(30.68,90.68) 30.88,90.48 30.88,90.17 29.77,89.06 29.77,80.29 32.6,77.45 33.14,77.45 33.75,76.84 33.75,76.54 U1.A6
  BOTTOM w0.102: v1(30.68,90.68) 30.68,90.18 30.72,90.14 J1.179
NO_LCLK_IN_N2: length 19.7
  SIGNAL_L12 w0.081: U7.A6 50.71,76.28 50.95,76.52 50.95,76.81 48.78,78.98 46.71,78.98 44.48,81.21 44.48,84.38 45.72,85.62 45.72,89.44 v1(45.48,89.68)
  BOTTOM w0.102: J1.119 45.73,89.39 45.74,89.4 45.74,89.42 v1(45.48,89.68)
NO_LCLK_IN_N3: length 24.3
  SIGNAL_L12 w0.081: v1(60.58,89.98) 60.88,89.98 61.01,90.11 61.25,90.11 61.35,90.01 61.35,85.95 59.78,84.38 59.78,81.18 61.71,79.25 67.74,79.25 68.12,78.87 68.12,76.51 U5.A6
  BOTTOM w0.102: J1.59 60.75,89.43 60.58,89.6 v1(60.58,89.98)
NO_LCLK_IN_P0: length 18.8
  SIGNAL_L12 w0.081: v1(15.5,90.48) 15.35,90.34 15.35,88.09 14.71,87.44 14.71,78.62 15.72,77.61 16.45,77.61 16.86,77.2 16.86,76.85 17.09,76.62 U3.A7
  BOTTOM w0.102: v1(15.5,90.48) 15.5,90.45 15.42,90.37 15.42,90.04 15.52,89.94 15.81,89.94 16.21,89.54 J1.237
NO_LCLK_IN_P1: length 19.8
  SIGNAL_L12 w0.081: U1.A7 34.08,76.49 34.08,76.98 33.28,77.78 32.74,77.78 30.1,80.42 30.1,88.92 31.21,90.03 31.21,90.41 v1(31.48,90.68)
  BOTTOM w0.102: v1(31.48,90.68) 31.48,90.57 31.37,90.47 31.36,90.47 31.03,90.14 31.03,89.67 31.22,89.48 J1.177
